# Altium PCB hellen1-72.PcbDoc (part 1 of 3) (continued)
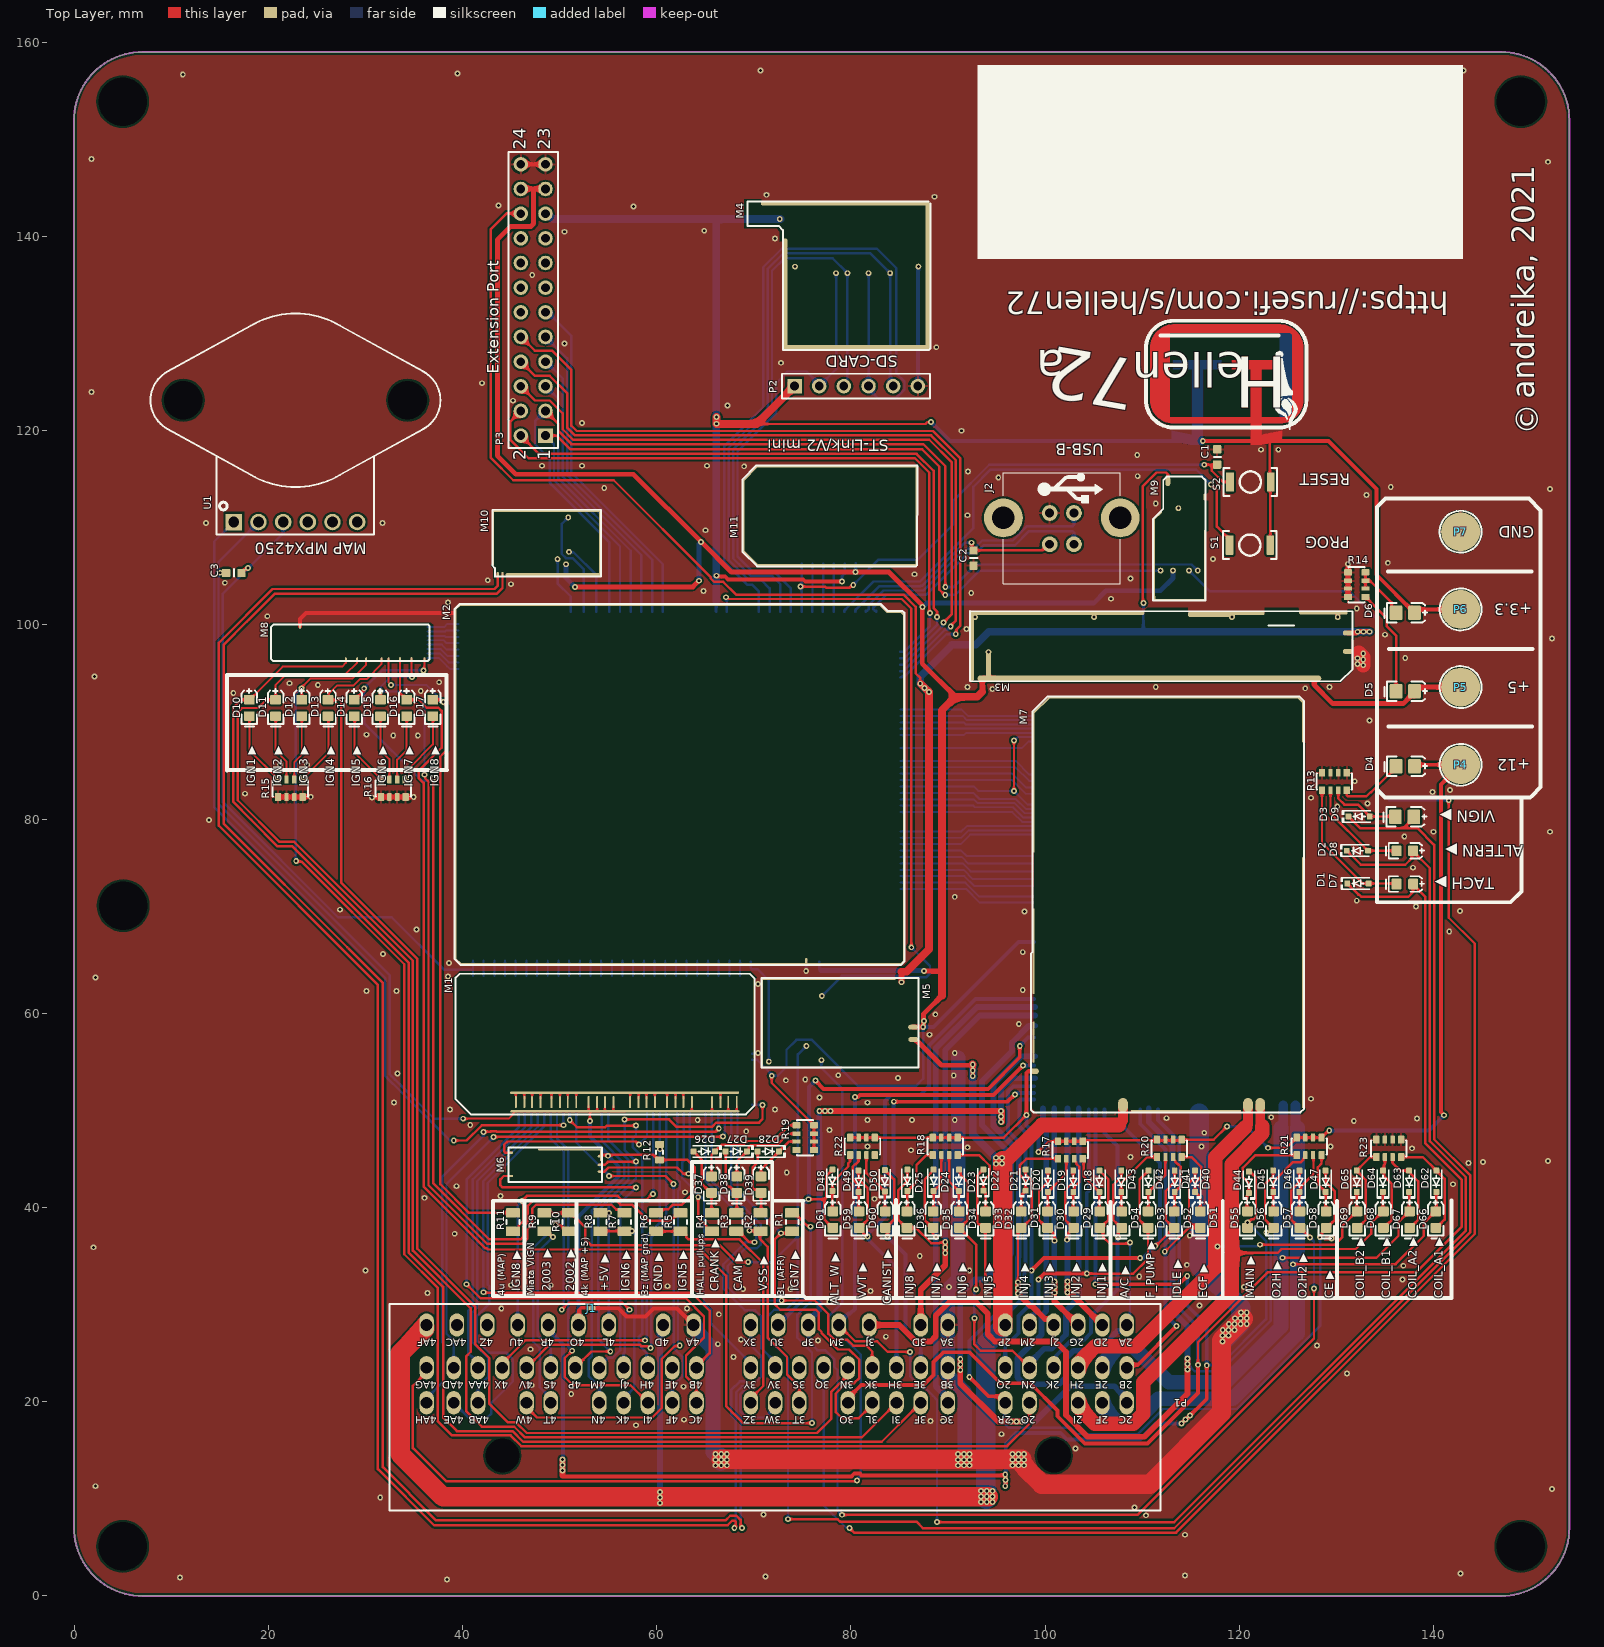
[diagram p0: Top Layer view]
## Footprints (in the part's own frame and the unit in brackets; to place one, negate y for a bottom-side part, rotate by r counter-clockwise, add the part's x,y. Pads: shape width x height; smd on the part's side, far side on the other; paste and mask are expansions set on the pad) (continued)
  silkscreen extent -1.27,-1.27 29.21,3.81
LED-0603 [mm] "Chip LED 0603; Body 1.6 x 0.8 mm (LxW typ)"
  rrect20% 1x1.1 smd: 1(0.8,-0.05) 2(-0.9,-0.05)
  silkscreen extent -1.98,-0.85 1.92,0.75, body extent -1.06,-0.68 0.96,0.57, height 1.1
LED-0805 [mm] "Chip LED 0805; Body 2.0 x 1.1 mm (LxW typ)"
  rrect20% 1.3x1.5 smd: 1(0.95,0) 2(-0.95,0)
  silkscreen extent -2.15,-1.01 2.25,1.01, body extent -1.01,-0.62 1.01,0.63, height 1.1
MOD_Hellen_CAN [mm] "Hellen One : CAN module interface"
  oval 0.2x5.67 smd paste-50 mask+0.102: E1(0.2,4.137)
  oval 11.1x0.2 smd paste-50 mask+0.102: E1(5.675,6.875)
  oval 9.8x0.4 smd paste-50 mask+0.102: E1(6.375,0.275)
  oval 0.5x0.25 smd paste-50: E1(11,0.275)
  oval 0.2x6.8 smd paste-50 mask+0.102: E1(11.175,3.538)
  oval 0.25x0.5 smd paste-50: S1(0.65,0.325) S2(1.15,0.325)
  round 0.6 hole 0.3 paste-50: V1(7.7,1.375) V2(6.825,1.9) V5(8,2.65) V6(7.925,6.2)
  silkscreen extent 0.1,0.1 11.27,6.99
MOD_Hellen_IGN8 [mm] "Hellen One : 8-ch ignition module interface"
  oval 0.4x0.2 smd far side paste-50: E1(16.205,3.575) E2(16.205,3.125) E3(16.205,2.675) E4(16.205,2.225) E5(16.205,1.768) E6(16.205,1.318) E7(16.205,0.868) E8(16.205,0.418)
  oval 0.25x0.5 smd paste-50: G(3.07,3.654)
  oval 0.2x0.4 smd paste-50: S1(15.875,0.275) S2(14.55,0.275) S3(13.375,0.275) S4(12.2,0.275) S5(11.482,0.275) S6(9.885,0.275) S7(8.96,0.275) S8(7.785,0.275)
  silkscreen extent 0.1,0.1 16.4,3.85
MOD_Hellen_Input [mm] "Hellen One : Analog/Digital inputs module interface"
  rrect100% 0.5x0.25 smd far side paste-50: E1(30.65,6.358) E2(30.65,5.698) E3(30.65,5.038) E4(30.65,4.378) E6(30.65,1.078)
  rrect100% 0.2x13 smd paste-50 mask+0.102: E5(30.85,7.545)
  rrect100% 23.6x0.25 smd paste-50 mask+0.102: J1(17.495,2.325) J2(17.52,0.4)
  rrect100% 0.2x1.25 smd paste-50 mask+0.102: J3(6.295,1.35) J4(7.17,1.35) J5(7.97,1.35) J6(8.845,1.35) J7(9.97,1.35) J8(10.845,1.35) J9(11.645,1.35) J10(12.52,1.35) J11(13.795,1.35) J12(14.67,1.35) J13(15.47,1.35) J14(16.345,1.35) J15(18.07,1.35) J16(18.945,1.35) J17(19.745,1.35) J18(20.62,1.35) J19(21.87,1.35) J20(22.745,1.35) J21(23.545,1.35) J22(24.42,1.35) J23(26.5,1.35) J24(27.375,1.35) J25(28.175,1.35) J26(29.05,1.35)
  rrect100% 0.25x0.5 smd far side: N1(1.88,14.327) N2(2.98,14.327) N3(4.08,14.327) N4(5.18,14.327) N5(6.28,14.327) N6(7.38,14.327) N7(8.48,14.327) N8(9.58,14.327) N9(10.68,14.327) N10(11.78,14.327) N11(12.88,14.327) N12(13.98,14.327) N13(15.08,14.327) N14(16.18,14.327) N15(17.28,14.327) N16(18.38,14.327) N17(19.48,14.327) N18(20.58,14.327) N19(21.68,14.327) N20(22.78,14.327) N21(23.88,14.327) N22(24.98,14.327) N23(26.08,14.327) N24(27.18,14.327) N25(28.28,14.327) N26(29.38,14.327)
  rrect100% 0.25x0.5 smd far side paste-50: S1(29.129,0.365) S2(28.469,0.365) S3(27.809,0.365) S4(27.149,0.365) S5(26.489,0.365) S6(25.829,0.365) S7(24.228,0.365) S8(23.568,0.365) S9(22.908,0.365) S10(21.787,0.365) S11(21.127,0.365) S12(20.467,0.365) S13(19.807,0.365) S14(16.481,0.365) S15(15.821,0.365) S16(15.161,0.365) S17(12.515,0.365) S18(11.855,0.365) S19(11.195,0.365) S20(10.535,0.365) S21(9.875,0.365) S22(9.215,0.365) S23(8.555,0.365) S24(7.895,0.365) S25(7.235,0.365) S26(6.575,0.365)
  silkscreen extent 0.1,0.1 30.9,14.58
MOD_Hellen_Knock [mm] "Hellen One : Knock pre-amplifier module interface"
  oval 6.5x0.2 smd paste-50 mask+0.102: E1(6.401,3.45)
  oval 0.5x0.25 smd paste-50: E1(9.525,2.75) E2(9.525,1.875) E3(9.525,1.175) W1(0.325,0.725) W2(0.325,3.125)
  oval 0.2x1.3 smd paste-50 mask+0.102: E1(9.6,2.9)
  silkscreen extent 0.1,0.1 9.72,3.67
MOD_Hellen_LIN [mm] "Hellen One : LIN module interface"
  oval 0.2x8.4 smd paste-50 mask+0.102: E1(0.22,4.363)
  oval 0.2x1.2 smd rot 135 paste-50 mask+0.102: E1(0.578,8.878)
  oval 5.25x0.2 smd paste-50 mask+0.102: E1(2.879,0.15)
  oval 0.2x0.7 smd paste-50: E1(5.395,10.775)
  oval 0.2x7.25 smd paste-50 mask+0.102: E1(5.425,3.738)
  oval 0.5x1 smd paste-50: N1(1.625,12.4)
  oval 0.25x0.5 smd paste-50: S1(0.22,0.375)
  round 0.6 hole 0.3 paste-50: V1(2.705,9.625) V2(0.875,3.2) V3(2.15,3.2) V4(3.8,3.2) V5(4.7,3.2)
  silkscreen extent 0.1,0.1 5.5,12.88
MOD_Hellen_MCU [mm] "Hellen One : MCU module interface"
  rrect100% 0.5x0.25 smd far side paste-50: E1(46.002,32.325) E2(46.002,31.665) E3(46.002,31.005) E4(46.002,30.345) E5(46.002,29.685) E6(46.002,26.385) E7(46.002,25.725) E8(46.002,25.065) E9(46.002,24.405) E10(46.002,23.745) E11(46.002,23.085) E12(46.002,22.425) E13(46.002,21.765) E14(46.002,21.105) E15(46.002,20.445) E16(46.002,19.785) E17(46.002,19.125) E18(46.002,18.465) E19(46.002,17.805) E20(46.002,17.145) E21(46.002,16.485) E22(46.002,15.825) E23(46.002,15.165) E24(46.002,14.505) E25(46.002,13.845) E26(46.002,13.185) E27(46.002,12.525) E28(46.002,11.865) E29(46.002,11.205) E30(46.002,10.545) E31(46.002,9.885) E32(46.002,9.225) E33(46.002,8.565) E34(46.002,7.905) W1(0.475,30.58) W2(0.475,31.24) W3(0.475,31.9) W4(0.475,32.56) W5(0.475,33.22) W6(0.475,33.88) W7(0.475,34.54) W8(0.475,35.2)
  rrect100% 0.25x0.5 smd far side paste-50: N1(12.055,36.452) N2(13.375,36.452) N3(14.695,36.452) N4(16.025,36.452) N5(17.125,36.452) N6(18.225,36.452) N7(19.325,36.452) N8(20.425,36.452) N9(21.525,36.452) N10(22.625,36.452) N11(23.725,36.452) N12(24.825,36.452) N13(25.925,36.452) N14(27.025,36.452) N15(28.125,36.452) N16(29.225,36.452) N17(30.325,36.452) N18(31.425,36.452) N19(32.525,36.452) N20(33.625,36.452) N21(34.725,36.452) N22(35.825,36.452) N23(36.925,36.452) N24(38.025,36.452) N25(39.125,36.452) N26(40.225,36.452) N27(41.325,36.452) N28(42.425,36.452) N29(43.525,36.452) N30(44.625,36.452) S1(37.625,0.523) S2(36.305,0.523) S3(34.985,0.523) S4(33.885,0.523) S5(32.785,0.523) S6(31.685,0.523) S7(30.585,0.523) S8(29.485,0.523) S9(28.385,0.523) S10(27.285,0.523) S11(26.185,0.523) S12(25.085,0.523) S13(23.985,0.523) S14(22.885,0.523) S15(21.785,0.523) S16(20.685,0.523) S17(19.585,0.523) S18(18.485,0.523) S19(17.385,0.523) S20(16.285,0.523) S21(15.185,0.523) S22(14.085,0.523) S23(12.985,0.523) S24(11.885,0.523) S25(10.785,0.523) S26(9.685,0.523) S27(8.585,0.523) S28(7.485,0.523) S29(6.385,0.523) S30(5.285,0.523) S31(4.185,0.523) S32(3.085,0.523) S33(1.985,0.523)
  rrect100% 0.2x36.19 smd paste-50 mask+0.102: S2(0.175,18.722)
  rrect100% 0.2x0.8 smd rot 135 paste-50 mask+0.102: S2(0.39,36.935)
  rrect100% 0.2x0.94 smd rot 45 paste-50 mask+0.102: S2(0.438,0.462)
  rrect100% 43.5x0.2 smd paste-50 mask+0.102: S2(22.265,37.15)
  rrect100% 45.6x0.2 smd paste-50 mask+0.102: S2(23.4,0.2)
  rrect100% 0.25x0.7 smd paste-50: S2(36.305,0.45)
  rrect100% 0.2x1.2 smd rot 45 paste-50 mask+0.102: S2(44.288,36.788)
  rrect100% 1.6x0.2 smd paste-50 mask+0.102: S2(45.375,36.425)
  rrect100% 0.2x0.58 smd rot 135 paste-50 mask+0.102: S2(46.212,0.337)
  rrect100% 0.2x0.55 smd rot 45 paste-50 mask+0.102: S2(46.225,36.3)
  rrect100% 0.2x35.9 smd paste-50 mask+0.102: S2(46.35,18.325)
  silkscreen extent 0.1,0.1 46.43,37.26
MOD_Hellen_OUTPUT [mm] "Hellen One : Outputs module interface"
  oval 0.2x4.25 smd paste-50 mask+0.102: G(0.325,7.335)
  oval 0.2x14.4 smd paste-50 mask+0.102: G(0.327,34.056)
  oval 0.2x8.825 smd paste-50 mask+0.102: G(0.327,16.697)
  oval 2.43x0.2 smd rot 45 paste-50 mask+0.102: G(1.135,42.031)
  oval 25.7x0.2 smd paste-50 mask+0.102: G(14.7,42.835)
  oval 11.325x0.2 smd paste-50 mask+0.102: G(16.025,0.26)
  oval 1x0.2 smd rot 135 paste-50 mask+0.102: G(27.789,42.551)
  oval 0.2x25.85 smd paste-50 mask+0.102: G(28.075,13.46)
  oval 0.2x4.15 smd paste-50 mask+0.102: G(28.077,40.271)
  oval 1x1.5 smd far side paste-50: S1(27.302,0.814) S2(26.046,0.814)
  oval 11.4x1.1 smd far side paste-50: S3(19.602,0.689)
  oval 1x1.5 smd paste-50: S4(23.657,0.839) S5(22.402,0.839) S11(9.527,0.839)
  oval 0.4x0.6 smd far side paste-50: S6(13.152,0.389) S8(11.307,0.389) S9(10.577,0.389) S10(9.682,0.389) S12(7.607,0.389) S13(6.707,0.389) S14(5.997,0.389)
  oval 0.6x0.8 smd far side paste-50: S7(12.177,0.489) S15(4.977,0.489) S16(3.802,0.489) S17(2.452,0.489) S18(1.277,0.489)
  oval 0.6x0.4 smd far side paste-50: W1(0.377,1.419) W2(0.377,2.114) W3(0.377,2.794) W6(0.377,4.919) W8(0.377,7.164) W9(0.377,7.814) W13(0.377,11.789) W14(0.377,17.639)
  oval 0.8x0.6 smd far side paste-50: W4(0.472,3.614) W7(0.472,5.889) W10(0.472,9.014) W11(0.472,10.089) W12(0.472,10.964)
  oval 0.8x0.6 smd paste-50: W5(0.472,4.335)
  oval 0.4x0.2 smd far side paste-50: W15(0.272,21.694) W16(0.272,22.354) W17(0.272,23.414) W18(0.272,24.118) W19(0.272,24.918) W20(0.272,25.718) W21(0.272,26.514) W22(0.272,28.709) W23(0.272,29.149) W24(0.272,29.589) W25(0.272,30.029) W26(0.272,30.469) W27(0.272,30.909) W28(0.272,31.349) W29(0.272,31.789) W30(0.272,32.914) W31(0.272,33.574) W32(0.272,34.234) W33(0.272,34.894) W34(0.272,38.299) W35(0.272,38.739) W36(0.272,39.179) W37(0.272,39.619) W38(0.272,40.059) W39(0.272,40.499) W40(0.272,40.939)
  silkscreen extent 0.07,0.11 28.18,42.94
MOD_Hellen_POWER_5 [mm] "Hellen One : 5V power module interface"
  oval 1x0.5 smd paste-50: E1(39.02,3.175) V5(39.02,5.075)
  oval 0.2x3.1 smd paste-50 mask+0.102: E1(39.495,2.875)
  oval 0.4x7.2 smd paste-50 mask+0.102: V1(0.325,3.719)
  round 0.6 hole 0.3 paste-50: V1(0.637,6.7) V2(12.9,6.7) V3(27.1,6.7) V4(38,6.7) V6(2.025,3.1)
  oval 17.7x0.4 smd paste-50 mask+0.102: V2(9.225,7.125)
  oval 4.9x0.6 smd paste-50 mask+0.102: V3(25,7)
  oval 7.8x0.4 smd paste-50 mask+0.102: V3(26.575,7.1)
  oval 5x0.4 smd paste-50 mask+0.102: V4(36.512,7.175)
  oval 0.5x3 smd paste-50 mask+0.102: V6(2.025,1.717)
  oval 35.4x0.6 smd paste-50 mask+0.102: V6(18.6,0.4)
  Top Layer lines w0.4: 12.9,6.675 12.9,6.7 12.9,7.075 ; 38,6.7 38,7.1
  silkscreen extent 0.1,0.1 39.52,7.35
MOD_Hellen_POWER_12 [mm] "Hellen One : 12V power module interface"
  oval 1x0.5 smd paste-50: E1(15.725,4.275) E2(15.755,3.005)
  oval 0.2x9.2 smd paste-50 mask+0.102: S1(0.2,4.644)
  oval 0.2x0.5 smd paste-50: S1(0.2,0.35)
  oval 8.27x0.2 smd paste-50 mask+0.102: S1(4.237,0.125)
  oval 13.8x0.2 smd paste-50 mask+0.102: S1(7.044,9.25)
  round 0.6 hole 0.3 paste-50: V1(14.55,8.9) V2(6.338,7.488) V3(4.743,2.343) V4(6.29,0.875) V5(0.875,0.725)
  silkscreen extent 0.1,0.1 16.27,9.33
MOD_HELLEN_SD [mm] "Hellen One : SD-card module interface"
  oval 0.5x11.4 smd paste-50 mask+0.102: G(3.975,5.887)
  oval 17.4x0.4 smd paste-50 mask+0.102: G(10.175,15.175)
  oval 15.2x0.5 smd paste-50 mask+0.102: G(11.32,0.35)
  oval 0.5x15.2 smd paste-50 mask+0.102: G(18.675,7.763)
  round 0.6 hole 0.3: V1(3.425,13.575) V2(5,8.67) V3(17.704,8.679) V4(9.225,8) V5(10.4,8) V6(12.575,8) V7(14.8,8)
  silkscreen extent 0.1,0.1 18.95,15.37
MOD_HELLEN_STLINK [mm] "Hellen One : ST/Link module interface"
  rrect100% 0.2x7.49 smd paste-50 mask+0.102: G(0.225,5.322)
  rrect100% 0.2x7.49 smd far side paste-50 mask+0.102: G(0.225,5.322)
  rrect100% 0.2x0.8 smd far side rot 45 paste-50 mask+0.102: G(0.448,1.452)
  rrect100% 0.2x2.19 smd rot 135 paste-50 mask+0.102: G(0.935,9.701)
  rrect100% 0.2x2.19 smd far side rot 135 paste-50 mask+0.102: G(0.935,9.701)
  rrect100% 0.2x2.24 smd rot 45 paste-50 mask+0.102: G(0.948,0.952)
  rrect100% 16.55x0.2 smd paste-50 mask+0.102: G(9.821,10.407)
  rrect100% 16.55x0.2 smd far side paste-50 mask+0.102: G(9.821,10.407)
  rrect100% 16.46x0.2 smd paste-50 mask+0.102: G(9.854,0.229)
  rrect100% 0.2x10.37 smd paste-50 mask+0.102: G(18.017,5.312)
  rrect100% 0.2x9.37 smd far side paste-50 mask+0.102: G(18.017,5.812)
  rrect100% 0.25x0.5 smd far side paste-50: N1(11.725,0.4) N2(10.625,0.4) N3(9.525,0.4) N4(8.425,0.4) N5(7.325,0.4) N6(6.225,0.4)
  silkscreen extent 0.1,0.1 18.13,10.5
MPX4250AP [mm]
  rect 1.7x1.7 hole 1.1 paste-1000 mask+0: 1(0,6.35)
  round 1.7 hole 1.1 paste-1000 mask+0: 2(0,3.81) 3(0,1.27) 4(0,-1.27) 5(0,-3.81) 6(0,-6.35)
  round 0 hole 4 unplated: ""(12.54,-11.555) ""(12.54,11.555)
  silkscreen extent -1.3,-14.92 21.49,14.92, body extent -0.31,-14.73 32.58,14.73, height 8.01
NET-TIE [mm] "Net Tie"
  rect 0.5x0.5 smd paste-5 mask+0.102: 1(-0.2,0) 2(0.2,0)
PAD-SMD-4.0 [mm] "SMD Pad; Header; 1 Position"
  round 4 smd: 1(0,0)
  silkscreen extent -2.16,-2.16 2.16,2.16, body extent -0.05,-0.05 0.05,0.05, height 2
R0603 [mm] "Chip Resistor 0.1W; Body 1.6 x 0.8 mm (LxW typ)"
  rrect20% 0.7x0.92 smd: 1(-0.8,0) 2(0.8,0)
  silkscreen extent -0.2,-0.37 0.2,0.37, body extent -0.8,-0.4 0.8,0.4, height 0.45
R0603_x4 [mm] "CAY16-F4 Resistor Array; 8 Leads; Body 3.2 x 1.6 mm, inc. leads (LxW max)"
  rrect20% 0.8x0.65 smd: 1(-0.9,1.275) 4(-0.9,-1.275) 5(0.9,-1.275) 8(0.9,1.275)
  rrect20% 0.8x0.45 smd: 2(-0.9,0.4) 3(-0.9,-0.4) 6(0.9,-0.4) 7(0.9,0.4)
  silkscreen extent -0.82,-1.83 0.82,1.83, body extent -0.8,-1.6 0.8,1.6, height 0.49
R0805 [mm] "Chip Resistor 0.125W; Body 2.0 x 1.2 mm (LxW typ)"
  rrect20% 1x1.45 smd: 1(-0.95,0) 2(0.95,0)
  silkscreen extent -0.2,-0.65 0.2,0.65, body extent -0.95,-0.62 1.05,0.63, height 0.6
SOD-323 [mm] "SODFL, 2-Leads, Body 1.25x2.50mm, IPC Medium Density"
  rrect20% 0.6x0.6 smd: 1(-1.1,0) 2(1.1,0)
  silkscreen extent -1.73,-0.57 1.2,0.6, body extent -1.25,-0.63 1.25,0.62, height 0.8

## Part data
C1 C3: library part Cap, "Capacitor", Supplier Part Number 1=710-885012207079, Fitted=True, PackageReference=C0603, Supplier 1=Mouser, Supplier 2=Digi-Key, Supplier 3=LCSC, Supplier Part Number 2=732-7673-1-ND, Supplier Part Number 3=C14663, Type=SMD
C2: library part Cap, "Capacitor", Fitted=True, PackageReference=C0603, Supplier 3=LCSC, Supplier Part Number 3=C14663, Type=SMD
D1 D2 D3 D18 D19 D20 D21 D22 D23 D24 D25 D26 D27 D28 D40 D41 D42 D43 D44 D45 D46 D47 D48 D49 D50 D62 D63 D64 D65: library part Diode, "Small Signal Fast Switching Diode", ComponentLink1Description="Manufacturer Link", ComponentLink1URL=http://www.vishay.com, ComponentLink2Description=Datasheet, ComponentLink2URL=http://www.vishay.com/docs/85557/85557.pdf, DatasheetVersion=1997, Fitted=True, LatestRevisionDate=17-Jul-2002, LatestRevisionNote="Re-released for DXP Platform.", Note="LL4148, MMSD4148", PackageDescription=SOD-323, PackageReference=SMC, PackageVersion=1997, Published=29-Sep-2000, Publisher="andrei (modified from Vishay parts)", Supplier 1=Mouser, Supplier 2=DigiKey, Supplier 3=LCSC, Supplier Part Number 3=C2128, Type=SMD
D4 D5 D6 D9: library part LED, "GREEN LED", PackageDocument=Feb-2002, Fitted=True, LatestRevisionDate=17-Jul-2002, LatestRevisionNote="Re-released for DXP Platform.", PackageReference=LED-0805, Published=8-Jun-2000, Publisher="Altium Limited", Supplier 3=LCSC, Supplier Part Number 3=C2297, Type=SMD
D7 D8 D10 D11 D12 D13 D14 D15 D16 D17 D29 D30 D31 D32 D33 D34 D35 D36 D37 D38 D39 D51 D52 D53 D54 D55 D56 D57 D58 D59 D60 D61 D66 D67 D68 D69: library part LED, "WHITE LED", PackageDocument=Feb-2002, Fitted=True, LatestRevisionDate=17-Jul-2002, LatestRevisionNote="Re-released for DXP Platform.", PackageReference=LED-0603, Published=8-Jun-2000, Publisher="Altium Limited", Supplier 3=LCSC, Supplier Part Number 3=C2290, Type=SMD
J1: "One-point Net Tie", LatestRevisionDate=17-Jul-2002, LatestRevisionNote="Re-released for DXP Platform.", Published=8-Jun-2000, Publisher="Altium Limited"
J2: library part "Conn USB", "USB Connector Type B", PackageDocument=2003, ComponentLink1Description="Manufacturer Link", ComponentLink1URL=http://www.cliffuk.co.uk/, DatasheetDocument=2003, DrillAndSlotSize="Corresponds to nominal value.", Fitted=True, LatestRevisionDate=15-Jul-2004, LatestRevisionNote="Component Replaced & renamed from \"Phonejack\".", PackageReference=S1VS_SNB, PCB_Layout="Complies with manufacturer's recommendation.", Publisher=andrei, Supplier 1=Mouser, Supplier 2=DigiKey, Supplier 3=LCSC, Type=SMD
M1: library part Mod-Hellen-Input, "Hellen-One Analog/Digital Inputs Module", Fitted=False, Publisher=andreika, Supplier 1=Mouser, Supplier 2=Digi-Key, Supplier 3=LCSC, Type=Module
M2: library part Mod-Hellen-MCU, "Hellen One MCU Module", Fitted=False, Publisher=andreika, Supplier 1=Mouser, Supplier 2=Digi-Key, Supplier 3=LCSC, Type=Module
M3: library part Mod-Hellen-Power5, "Hellen-One Power-5V Module", Fitted=False, Publisher=andreika, Supplier 1=Mouser, Supplier 2=Digi-Key, Supplier 3=LCSC, Type=Module
M4: library part Mod-Hellen-SD, "Hellen-One microSD Card Module", Fitted=False, Publisher=andreika, Supplier 1=Mouser, Supplier 2=Digi-Key, Supplier 3=LCSC, Type=Module
M5: library part Mod-Hellen-Power12, "Hellen-One Power-12V Module", Fitted=False, Publisher=andreika, Supplier 1=Mouser, Supplier 2=Digi-Key, Supplier 3=LCSC, Type=Module
M6: library part Mod-Hellen-Knock, "Hellen-One Knock Pre-amplifier Module", Fitted=False, Publisher=andreika, Supplier 1=Mouser, Supplier 2=Digi-Key, Supplier 3=LCSC, Type=Module
M7: library part Mod-Hellen-Output, "Hellen-One Outputs Module", Fitted=False, Publisher=andreika, Supplier 1=Mouser, Supplier 2=Digi-Key, Supplier 3=LCSC, Type=Module
M8: library part Mod-Hellen-IGN8, "Hellen-One CAN Module", Fitted=False, Publisher=andreika, Supplier 1=Mouser, Supplier 2=Digi-Key, Supplier 3=LCSC, Type=Module
M9: library part Mod-Hellen-LIN, "Hellen-One K-LINE (LIN) Module", Fitted=False, Publisher=andreika, Supplier 1=Mouser, Supplier 2=Digi-Key, Supplier 3=LCSC, Type=Module
M10: library part Mod-Hellen-CAN, "Hellen-One CAN Module", Fitted=False, Publisher=andreika, Supplier 1=Mouser, Supplier 2=Digi-Key, Supplier 3=LCSC, Type=Module
M11: library part Mod-Hellen-STLink, "Hellen-One ST/Link Module", Fitted=False, Publisher=andreika, Supplier 1=Mouser, Supplier 2=Digi-Key, Supplier 3=LCSC, Type=Module
P1: library part CONN-TE-72Pin, "72 Pin ECU Connector (TE 1123038-2)", Fitted=False, Publisher=andreika, Type=PTH
P2: library part "Header 1x6", "Header, 6-Pin", Fitted=False, LatestRevisionDate=17-Jul-2002, LatestRevisionNote="Re-released for DXP Platform.", Publisher="Altium Limited", Supplier 3=LCSC, Type=TH
P3: library part "Header 2x12", "Header, 12-Pin, Dual row", LatestRevisionDate=17-Jul-2002, LatestRevisionNote="Re-released for DXP Platform.", Publisher="Altium Limited"
P4 P5 P6 P7: library part Pad, "Pad", Fitted=False
R1 R2 R3 R4 R5 R6 R7 R8 R9 R10 R11 R12: library part Res, "Resistor", Fitted=True, Supplier 3=LCSC, Type=SMD
  R1 R2 R3 R4 R5 R6 R7 R8 R9 R10 R11: PackageReference=R0805, Supplier 1=Mouser, Supplier 2=DigiKey, Supplier Part Number 3=C17477
  R12: PackageReference=R0603, Supplier Part Number 3=C21190
R13 R14 R15 R16 R17 R18 R19 R20 R21 R22 R23: library part "Res Array 4", "Resistor", Fitted=True, PackageReference=R0603-4, Supplier 1=Mouser, Supplier 2=Digi-Key, Supplier 3=LCSC, Type=SMD
  R13 R17 R18 R20 R21 R22 R23: Supplier Part Number 3=C1980
  R14 R15 R16 R19: Supplier Part Number 3=C25510
S1 S2: "Single-Pole, Single-Throw Switch", Fitted=True, LatestRevisionDate=17-Jul-2002, LatestRevisionNote="Re-released for DXP Platform.", PackageReference=SMD-2_2.9x3.9x1.7, Published=24-Mar-1999, Publisher="Altium Limited", Supplier 3=LCSC, Supplier Part Number 3=C115357, Type=SMD
U1: library part MPX4250AP, Fitted=False, Supplier 3=LCSC, Type=TH

## Free pads (board coordinates)
  round 0 hole 5 unplated: ""(5,5.1) ""(5,153.9) ""(5.049,71.1) ""(149,5.1) ""(149,153.9)

## Via types
v1: diameter 0.6, hole 0.3, Top Layer to Bottom Layer, tented both sides, 461 vias

## Nets (pads, with @x,y where several pads share a name; then routed paths per layer and width w, separated by ;. In a path a pad name is that pad's centre, name@x,y a point inside that pad or via, vN(x,y) a via of type N, cw(c..) or ccw(c..) an arc to the next point about the centre after c; other vN are vias at no path point)
AC: M2.E9 M7.W37 | length 13.7
  Bottom Layer w0.2: M2.E9@85.102,89.305 85.112,89.315 85.272,89.315 85.276,89.319 M7.W37@98.772,89.319
AC_PRESS: M1.N10 M2.S24 | length 1.6
  Bottom Layer w0.2: M1.N10@50.983,63.83 M2.S24@50.983,65.42
AFR: M1.N26 M2.S8 | length 1.6
  Bottom Layer w0.2: M1.N26@68.582,63.83 M2.S8@68.582,65.42
ALT_WARN: M2.E7 M7.W39 | length 13.8
  Bottom Layer w0.2: M2.E7@85.102,90.625 91.509,90.625 91.936,90.199 M7.W39@98.772,90.199
ALTERN: M2.E19 M7.W28 | length 14.4
  Bottom Layer w0.2: M2.E19@85.102,82.705 92.62,82.705 93.25,82.075 97,82.075 98.026,81.049 M7.W28@98.772,81.049
BOOT0: M2.N26 S1.1 | length 54.1
  Top Layer w0.25: v1(117.1,114.475) 117.7,113.875 117.7,110.125 119,108.825 S1.1@119,108.225
  Bottom Layer w0.25: M2.N26@79.325,101.352 79.325,101.477 82.323,104.475 87.125,104.475 92.625,109.975 92.625,114.239 94.386,116 115.575,116 v1(117.1,114.475)
BRAKE: M1.N6 M2.S28 | length 1.6
  Bottom Layer w0.2: M1.N6@46.583,63.83 M2.S28@46.583,65.42
CAM: M1.N19 M2.S15 | length 1.6
  Bottom Layer w0.2: M1.N19@60.882,63.83 M2.S15@60.882,65.42
CAM_PULLUP: D27.2 D38.2 R3.2 | length 6.9
  Top Layer w0.25: D27.2@67.1,45.775 67.1,42.45 67.4,42.15 67.55,42.15 68.2,41.5 D38.2@68.25,41.5 68.25,39.5 R3.2@68.2,39.45
CAN_N: M10.S1 P1.3X | length 188.9
  Top Layer w0.25: M10.S1@43.62,105.205 43.616,105.201 43.616,104.016 43.304,103.704 20.441,103.704 14.896,98.159 14.896,79.329 31.296,62.929 31.296,13.055 37.08,7.271 67.305,7.271 67.791,7.757 68.014,7.757 68.146,7.625 68.146,7.243 67.998,7.095 v1(67.998,7)
  Bottom Layer w0.25: P1.3X@69.7,27.9 69.7,25.8 70.775,24.725 70.775,22.605 69.87,21.7 69.567,21.7 69.176,22.091 68.572,22.091 67.671,21.19 67.671,18.61 68.146,18.135 68.146,10.661 v1@68.146,7.243 ; v1@68.146,7.243 68.146,7.148 v1(67.998,7) 67.998,7.095 v1@68.146,7.243
CAN_P: M10.S2 P1.3W | length 187.6
  Top Layer w0.25: M10.S2@44.12,105.205 44.12,105.157 44.12,103.807 43.513,103.2 20.65,103.2 17.953,100.503 17.775,100.325 15.4,97.95 15.4,79.538 28.128,66.81 28.306,66.631 31.8,63.138 31.8,13.264 37.289,7.775 67.096,7.775 67.582,8.261 68.223,8.261 68.65,7.834 68.65,7.243 68.798,7.095 v1(68.798,7)
  Bottom Layer w0.25: P1.3W@72.2,19.9 72.2,19.45 71.125,18.375 69.255,18.375 68.625,19.005 68.625,20.795 69.099,21.269 69.099,21.455 68.967,21.587 68.781,21.587 68.175,20.982 68.175,18.818 68.65,18.343 68.65,10.869 v1@68.65,7.243 ; v1@68.65,7.243 68.65,7.148 v1(68.798,7) 68.798,7.095 v1@68.65,7.243
CAN_RX: M2.N2 M10.V6 | length 11.3
  Bottom Layer w0.25: M10.V6@50.895,111.08 50.225,110.41 50.225,107.305 50.65,106.88 51.345,106.88 52.475,105.75 M2.N2@52.475,101.352
CAN_TX: M2.N3 M10.V5 | length 7.6
  Bottom Layer w0.25: M10.V5@50.97,107.53 51.037,107.463 51.462,107.463 53.795,105.13 M2.N3@53.795,101.352
CAN_VIO: M2.N1 M10.V2 | length 6
  Bottom Layer w0.25: M10.V2@49.795,106.78 49.795,104.28 51.155,102.92 M2.N1@51.155,101.352
CANIST: M2.E21 M7.W26 | length 14.2
  Bottom Layer w0.2: M2.E21@85.102,81.385 92.615,81.385 92.775,81.225 96.7,81.225 97.756,80.169 M7.W26@98.772,80.169
CE: M2.E22 M7.W25 | length 14.1
  Bottom Layer w0.2: M2.E22@85.102,80.725 96.634,80.725 97.631,79.729 M7.W25@98.772,79.729
CLT: M1.N16 M2.S18 | length 1.6
  Bottom Layer w0.2: M1.N16@57.583,63.83 M2.S18@57.583,65.42
CLUTCH: M1.N8 M2.S26 | length 1.6
  Bottom Layer w0.2: M1.N8@48.783,63.83 M2.S26@48.783,65.42
COIL_A1: M2.E14 M7.W33 | length 14.3
  Bottom Layer w0.2: M2.E14@85.102,86.005 96.97,86.005 98.381,84.594 M7.W33@98.772,84.594
COIL_A2: M2.E15 M7.W32 | length 14.3
  Bottom Layer w0.2: M2.E15@85.102,85.345 96.955,85.345 98.366,83.934 M7.W32@98.772,83.934
COIL_B1: M2.E16 M7.W31 | length 14.3
  Bottom Layer w0.2: M2.E16@85.102,84.685 96.612,84.685 98.024,83.274 M7.W31@98.772,83.274
COIL_B2: M2.E17 M7.W30 | length 14.3
  Bottom Layer w0.2: M2.E17@85.102,84.025 96.6,84.025 98.011,82.614 M7.W30@98.772,82.614
CRANK: M1.N21 M2.S13 | length 1.6
  Bottom Layer w0.2: M1.N21@63.082,63.83 M2.S13@63.082,65.42
CRANK_PULLUP: D26.2 D37.2 R4.2 | length 7.1
  Top Layer w0.25: D26.2@63.8,45.775 64.625,44.95 64.625,42.475 65.6,41.5 D37.2@65.65,41.5 65.65,39.5 R4.2@65.7,39.45
ECF: M2.E28 M7.W21 | length 13.9
  Bottom Layer w0.2: M2.E28@85.102,76.765 91.36,76.765 91.911,76.214 M7.W21@98.772,76.214
EGR: M1.N11 M2.S23 | length 1.6
  Bottom Layer w0.2: M1.N11@52.083,63.83 M2.S23@52.083,65.42
EXT_IO1: M2.N6 P3.5 | length 26.9
  Bottom Layer w0.25: P3.5@48.55,124.605 49.875,123.28 49.875,115.089 57.325,107.639 M2.N6@57.325,101.352
EXT_IO2: M2.N7 P3.7 | length 29.9
  Bottom Layer w0.25: P3.7@48.55,127.145 50.325,125.37 50.325,115.275 58.425,107.175 M2.N7@58.425,101.352
EXT_IO3: M2.N8 P3.9 | length 32.9
  Bottom Layer w0.25: P3.9@48.55,129.685 50.775,127.46 50.775,115.489 59.525,106.739 M2.N8@59.525,101.352
EXT_IO4: M2.N9 P3.11 | length 36
  Bottom Layer w0.25: P3.11@48.55,132.225 48.775,132.225 51.225,129.775 51.225,115.675 60.625,106.275 M2.N9@60.625,101.352
EXT_SPI_CS1: M2.E4 P3.8 | length 75.5
  Top Layer w0.25: P3.8@46.01,127.12 47.475,125.655 48.995,125.655 50.775,123.875 50.775,120.336 51.586,119.525 88.264,119.525 90.825,116.964 90.825,100.47 90.279,99.925 v1(90.279,99.83)
  Bottom Layer w0.25: M2.E4@85.102,95.245 85.429,95.245 89.684,99.5 89.95,99.5 v1(90.279,99.83)
EXT_SPI_CS2: M2.E5 P3.10 | length 79.6
  Top Layer w0.25: P3.10@46.01,129.66 46.035,129.66 47.445,128.25 49.225,128.25 51.225,126.25 51.225,120.523 51.773,119.975 88.45,119.975 91.275,117.15 91.275,99.942 90.867,99.534 90.867,99.117 v1(90.8,99.05)
  Bottom Layer w0.25: M2.E5@85.102,94.585 85.227,94.585 85.437,94.795 85.615,94.795 89.87,99.05 v1(90.8,99.05)
EXT_SPI_MISO: M2.E2 P3.2 | length 65.2
  Top Layer w0.25: P3.2@46.01,119.5 47.885,117.625 86.777,117.625 88.525,115.877 88.525,101.734 88.879,101.38 v1(88.879,100.83)
  Bottom Layer w0.25: M2.E2@85.102,96.565 85.451,96.565 85.661,96.775 88.879,99.993 v1(88.879,100.83)
EXT_SPI_MOSI: M2.E3 P3.6 | length 71.8
  Top Layer w0.25: P3.6@46.01,124.58 47.475,123.115 48.995,123.115 50.325,121.785 50.325,120.15 51.4,119.075 88.077,119.075 90.375,116.777 90.375,101.075 v1(89.55,100.25)
  Bottom Layer w0.25: M2.E3@85.102,95.905 85.428,95.905 85.848,96.325 89.483,99.96 89.483,100.183 v1(89.55,100.25)
EXT_SPI_SCK: M2.E1 P3.4 | length 67.9
  Top Layer w0.25: P3.4@46.01,122.04 44.935,120.965 44.935,119.055 46.815,117.175 86.59,117.175 88.075,115.69 88.075,101.3 v1(88.138,101.237)
  Bottom Layer w0.25: M2.E1@85.102,97.225 85.475,97.225 88.138,99.888 v1(88.138,101.237)
FTP_PPS: M1.N5 M2.S29 | length 1.6
  Bottom Layer w0.2: M1.N5@45.483,63.83 M2.S29@45.483,65.42
FUEL_LEVEL: M1.N24 M2.S10 | length 1.6
  Bottom Layer w0.2: M1.N24@66.382,63.83 M2.S10@66.382,65.42